# KiCad board untitled.kicad_pcb (continued)
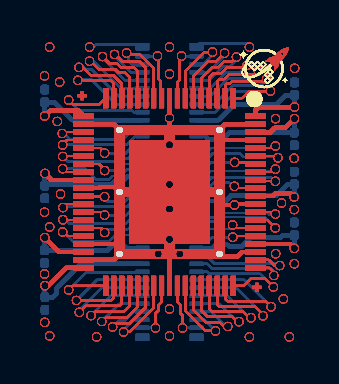
[diagram p0: board, top side]
## Routing (per net, layer and track width the routed paths; a pad name or vN(x,y) marks a point on that pad's centre or on a via; arc(x,y) is an arc through that point) (continued)
  Bottom w0.1: 10.01,1.18 J173.29 ; 10.01,1.18 J173.29 ; 10.01,1.18 J173.29 ; 10.01,1.18 J173.29 ; 10.01,1.18 J173.29 ; 10.01,1.18 J173.29 ; 10.01,1.18 J173.29 ; 10.01,1.18 v1(11.35,-0.16) ; 10.01,1.18 v1(11.35,-0.16) ; 10.01,1.18 v1(11.35,-0.16) ; 10.01,1.18 J173.29 ; 10.01,1.18 J173.29 ; 10.01,1.18 v1(11.35,-0.16) ; 10.01,1.18 v1(11.35,-0.16) ; 10.01,1.18 v1(11.35,-0.16) ; 10.01,1.18 J173.29 ; 10.01,1.18 v1(11.35,-0.16) ; 10.01,1.18 J173.29 ; 10.01,1.18 v1(11.35,-0.16) ; 10.01,1.18 J173.29 ; 10.01,1.18 v1(11.35,-0.16) ; 10.01,1.18 J173.29 ; 10.01,1.18 J173.29 ; 10.01,1.18 v1(11.35,-0.16) ; 10.01,1.18 v1(11.35,-0.16) ; 10.01,1.18 J173.29 ; 10.01,1.18 v1(11.35,-0.16) ; 10.01,1.18 J173.29 ; 10.01,1.18 J173.29 ; 10.01,1.18 v1(11.35,-0.16) ; 10.01,1.18 v1(11.35,-0.16) ; 10.01,1.18 v1(11.35,-0.16) ; 10.01,1.18 J173.29 ; 10.01,1.18 J173.29 ; 10.01,1.18 J173.29 ; 10.01,1.18 J173.29 ; 10.01,1.18 v1(11.35,-0.16) ; 10.01,1.18 J173.29 ; 10.01,1.18 v1(11.35,-0.16) ; 10.01,1.18 J173.29 ; 10.01,1.18 J173.29 ; 10.01,1.18 J173.29 ; 10.01,1.18 v1(11.35,-0.16) ; 10.01,1.18 J173.29 ; 10.01,1.18 J173.29 ; 10.01,1.18 v1(11.35,-0.16) ; 10.01,1.18 v1(11.35,-0.16) ; 10.01,1.18 J173.29 ; 10.01,1.18 J173.29 ; 10.01,1.18 J173.29 ; 10.01,1.18 J173.29 ; 10.01,1.18 J173.29 ; 10.01,1.18 J173.29 ; 10.01,1.18 J173.29 ; 10.01,1.18 v1(11.35,-0.16) ; 10.01,1.18 J173.29 ; 10.01,1.18 v1(11.35,-0.16) ; 10.01,1.18 v1(11.35,-0.16) ; 10.01,1.18 v1(11.35,-0.16) ; 10.01,1.18 v1(11.35,-0.16) ; 10.01,1.18 v1(11.35,-0.16) ; 10.01,1.18 J173.29 ; 10.01,1.18 v1(11.35,-0.16) ; 10.01,1.18 v1(11.35,-0.16) ; 10.01,1.18 J173.29 ; 10.01,1.18 v1(11.35,-0.16) ; 10.01,1.18 v1(11.35,-0.16) ; 10.01,1.18 J173.29 ; 10.01,1.18 v1(11.35,-0.16) ; 10.01,1.18 v1(11.35,-0.16) ; 10.01,1.18 v1(11.35,-0.16) ; 10.01,1.18 v1(11.35,-0.16) ; 10.01,1.18 v1(11.35,-0.16) ; 10.01,1.18 v1(11.35,-0.16) ; 10.01,1.18 v1(11.35,-0.16) ; 10.01,1.18 v1(11.35,-0.16) ; 10.01,1.18 v1(11.35,-0.16) ; 10.01,1.18 J173.29 ; 10.01,1.18 v1(11.35,-0.16) ; 10.01,1.18 J173.29 ; 10.01,1.18 v1(11.35,-0.16) ; 10.01,1.18 v1(11.35,-0.16) ; 10.01,1.18 J173.29 ; 10.01,1.18 J173.29
/PIN 43: length 272
  Top w0.1: 9.96,0.88 10.32,1.24 ; 9.96,0.88 10.32,1.24 ; 9.96,0.88 10.32,1.24 ; 9.96,0.88 J158.54 ; 9.96,0.88 J158.54 ; 9.96,0.88 10.32,1.24 ; 9.96,0.88 J158.54 ; 9.96,0.88 J158.54 ; 9.96,0.88 10.32,1.24 ; 9.96,0.88 J158.54 ; 9.96,0.88 10.32,1.24 ; 9.96,0.88 J158.54 ; 9.96,0.88 10.32,1.24 ; 9.96,0.88 J158.54 ; 9.96,0.88 10.32,1.24 ; 9.96,0.88 J158.54 ; 9.96,0.88 J158.54 ; 9.96,0.88 J158.54 ; 9.96,0.88 J158.54 ; 9.96,0.88 J158.54 ; 9.96,0.88 J158.54 ; 9.96,0.88 J158.54 ; 9.96,0.88 J158.54 ; 9.96,0.88 10.32,1.24 ; 9.96,0.88 10.32,1.24 ; 9.96,0.88 J158.54 ; 9.96,0.88 10.32,1.24 ; 9.96,0.88 10.32,1.24 ; 9.96,0.88 10.32,1.24 ; 9.96,0.88 J158.54 ; 9.96,0.88 J158.54 ; 9.96,0.88 10.32,1.24 ; 9.96,0.88 10.32,1.24 ; 9.96,0.88 J158.54 ; 9.96,0.88 10.32,1.24 ; 9.96,0.88 10.32,1.24 ; 9.96,0.88 J158.54 ; 9.96,0.88 10.32,1.24 ; 9.96,0.88 10.32,1.24 ; 9.96,0.88 10.32,1.24 ; 9.96,0.88 10.32,1.24 ; 9.96,0.88 10.32,1.24 ; 9.96,0.88 J158.54 ; 9.96,0.88 J158.54 ; 9.96,0.88 10.32,1.24 ; 9.96,0.88 J158.54 ; 9.96,0.88 10.32,1.24 ; 9.96,0.88 10.32,1.24 ; 9.96,0.88 J158.54 ; 9.96,0.88 J158.54 ; 9.96,0.88 J158.54 ; 9.96,0.88 10.32,1.24 ; 9.96,0.88 J158.54 ; 9.96,0.88 J158.54 ; 9.96,0.88 J158.54 ; 9.96,0.88 J158.54 ; 9.96,0.88 10.32,1.24 ; 9.96,0.88 J158.54 ; 9.96,0.88 J158.54 ; 9.96,0.88 10.32,1.24 ; 9.96,0.88 10.32,1.24 ; 9.96,0.88 J158.54 ; 9.96,0.88 10.32,1.24 ; 9.96,0.88 J158.54 ; 9.96,0.88 J158.54 ; 9.96,0.88 J158.54 ; 9.96,0.88 10.32,1.24 ; 9.96,0.88 J158.54 ; 9.96,0.88 J158.54 ; 9.96,0.88 10.32,1.24 ; 9.96,0.88 10.32,1.24 ; 9.96,0.88 10.32,1.24 ; 9.96,0.88 10.32,1.24 ; 9.96,0.88 J158.54 ; 9.96,0.88 10.32,1.24 ; 9.96,0.88 10.32,1.24 ; 9.96,0.88 10.32,1.24 ; 9.96,0.88 10.32,1.24 ; 9.96,0.88 J158.54 ; 9.96,0.88 J158.54 ; 9.96,0.88 10.32,1.24 ; 9.96,0.88 10.32,1.24 ; 9.96,0.88 10.32,1.24 ; 9.96,0.88 J158.54 ; 10.32,1.24 11.05,1.24 ; 10.32,1.24 11.05,1.24 ; 10.32,1.24 11.05,1.24 ; 10.32,1.24 11.05,1.24 ; 10.32,1.24 11.05,1.24 ; 10.32,1.24 11.05,1.24 ; 10.32,1.24 11.05,1.24 ; 10.32,1.24 11.05,1.24 ; 10.32,1.24 11.05,1.24 ; 10.32,1.24 11.05,1.24 ; 10.32,1.24 11.05,1.24 ; 10.32,1.24 11.05,1.24 ; 10.32,1.24 11.05,1.24 ; 10.32,1.24 11.05,1.24 ; 10.32,1.24 11.05,1.24 ; 10.32,1.24 11.05,1.24 ; 10.32,1.24 11.05,1.24 ; 10.32,1.24 11.05,1.24 ; 10.32,1.24 11.05,1.24 ; 10.32,1.24 11.05,1.24 ; 10.32,1.24 11.05,1.24 ; 10.32,1.24 11.05,1.24 ; 10.32,1.24 11.05,1.24 ; 10.32,1.24 11.05,1.24 ; 10.32,1.24 11.05,1.24 ; 10.32,1.24 11.05,1.24 ; 10.32,1.24 11.05,1.24 ; 10.32,1.24 11.05,1.24 ; 10.32,1.24 11.05,1.24 ; 10.32,1.24 11.05,1.24 ; 10.32,1.24 11.05,1.24 ; 10.32,1.24 11.05,1.24 ; 10.32,1.24 11.05,1.24 ; 10.32,1.24 11.05,1.24 ; 10.32,1.24 11.05,1.24 ; 10.32,1.24 11.05,1.24 ; 10.32,1.24 11.05,1.24 ; 10.32,1.24 11.05,1.24 ; 10.32,1.24 11.05,1.24 ; 10.32,1.24 11.05,1.24 ; 10.32,1.24 11.05,1.24 ; 10.32,1.24 11.05,1.24 ; 11.05,1.24 v1(11.46,0.83) ; 11.05,1.24 v1(11.46,0.83) ; 11.05,1.24 v1(11.46,0.83) ; 11.05,1.24 v1(11.46,0.83) ; 11.05,1.24 v1(11.46,0.83) ; 11.05,1.24 v1(11.46,0.83) ; 11.05,1.24 v1(11.46,0.83) ; 11.05,1.24 v1(11.46,0.83) ; 11.05,1.24 v1(11.46,0.83) ; 11.05,1.24 v1(11.46,0.83) ; 11.05,1.24 v1(11.46,0.83) ; 11.05,1.24 v1(11.46,0.83) ; 11.05,1.24 v1(11.46,0.83) ; 11.05,1.24 v1(11.46,0.83) ; 11.05,1.24 v1(11.46,0.83) ; 11.05,1.24 v1(11.46,0.83) ; 11.05,1.24 v1(11.46,0.83) ; 11.05,1.24 v1(11.46,0.83) ; 11.05,1.24 v1(11.46,0.83) ; 11.05,1.24 v1(11.46,0.83) ; 11.05,1.24 v1(11.46,0.83) ; 11.05,1.24 v1(11.46,0.83) ; 11.05,1.24 v1(11.46,0.83) ; 11.05,1.24 v1(11.46,0.83) ; 11.05,1.24 v1(11.46,0.83) ; 11.05,1.24 v1(11.46,0.83) ; 11.05,1.24 v1(11.46,0.83) ; 11.05,1.24 v1(11.46,0.83) ; 11.05,1.24 v1(11.46,0.83) ; 11.05,1.24 v1(11.46,0.83) ; 11.05,1.24 v1(11.46,0.83) ; 11.05,1.24 v1(11.46,0.83) ; 11.05,1.24 v1(11.46,0.83) ; 11.05,1.24 v1(11.46,0.83) ; 11.05,1.24 v1(11.46,0.83) ; 11.05,1.24 v1(11.46,0.83) ; 11.05,1.24 v1(11.46,0.83) ; 11.05,1.24 v1(11.46,0.83) ; 11.05,1.24 v1(11.46,0.83) ; 11.05,1.24 v1(11.46,0.83) ; 11.05,1.24 v1(11.46,0.83) ; 11.05,1.24 v1(11.46,0.83)
  Bottom w0.1: 8.26,1.48 8.16,1.58 ; 8.26,1.48 8.16,1.58 ; 8.26,1.48 10.81,1.48 ; 8.26,1.48 10.81,1.48 ; 8.26,1.48 10.81,1.48 ; 8.26,1.48 8.16,1.58 ; 8.26,1.48 8.16,1.58 ; 8.26,1.48 8.16,1.58 ; 8.26,1.48 10.81,1.48 ; 8.26,1.48 8.16,1.58 ; 8.26,1.48 10.81,1.48 ; 8.26,1.48 10.81,1.48 ; 8.26,1.48 10.81,1.48 ; 8.26,1.48 8.16,1.58 ; 8.26,1.48 10.81,1.48 ; 8.26,1.48 10.81,1.48 ; 8.26,1.48 10.81,1.48 ; 8.26,1.48 8.16,1.58 ; 8.26,1.48 8.16,1.58 ; 8.26,1.48 10.81,1.48 ; 8.26,1.48 8.16,1.58 ; 8.26,1.48 8.16,1.58 ; 8.26,1.48 8.16,1.58 ; 8.26,1.48 10.81,1.48 ; 8.26,1.48 10.81,1.48 ; 8.26,1.48 8.16,1.58 ; 8.26,1.48 10.81,1.48 ; 8.26,1.48 10.81,1.48 ; 8.26,1.48 10.81,1.48 ; 8.26,1.48 8.16,1.58 ; 8.26,1.48 10.81,1.48 ; 8.26,1.48 8.16,1.58 ; 8.26,1.48 8.16,1.58 ; 8.26,1.48 8.16,1.58 ; 8.26,1.48 10.81,1.48 ; 8.26,1.48 10.81,1.48 ; 8.26,1.48 8.16,1.58 ; 8.26,1.48 10.81,1.48 ; 8.26,1.48 8.16,1.58 ; 8.26,1.48 10.81,1.48 ; 8.26,1.48 10.81,1.48 ; 8.26,1.48 8.16,1.58 ; 8.26,1.48 10.81,1.48 ; 8.26,1.48 10.81,1.48 ; 8.26,1.48 10.81,1.48 ; 8.26,1.48 10.81,1.48 ; 8.26,1.48 8.16,1.58 ; 8.26,1.48 8.16,1.58 ; 8.26,1.48 8.16,1.58 ; 8.26,1.48 10.81,1.48 ; 8.26,1.48 8.16,1.58 ; 8.26,1.48 10.81,1.48 ; 8.26,1.48 10.81,1.48 ; 8.26,1.48 10.81,1.48 ; 8.26,1.48 8.16,1.58 ; 8.26,1.48 10.81,1.48 ; 8.26,1.48 8.16,1.58 ; 8.26,1.48 8.16,1.58 ; 8.26,1.48 10.81,1.48 ; 8.26,1.48 10.81,1.48 ; 8.26,1.48 8.16,1.58 ; 8.26,1.48 10.81,1.48 ; 8.26,1.48 10.81,1.48 ; 8.26,1.48 8.16,1.58 ; 8.26,1.48 8.16,1.58 ; 8.26,1.48 10.81,1.48 ; 8.26,1.48 8.16,1.58 ; 8.26,1.48 8.16,1.58 ; 8.26,1.48 10.81,1.48 ; 8.26,1.48 8.16,1.58 ; 8.26,1.48 10.81,1.48 ; 8.26,1.48 8.16,1.58 ; 8.26,1.48 10.81,1.48 ; 8.26,1.48 8.16,1.58 ; 8.26,1.48 8.16,1.58 ; 8.26,1.48 8.16,1.58 ; 8.26,1.48 8.16,1.58 ; 8.26,1.48 10.81,1.48 ; 8.26,1.48 8.16,1.58 ; 8.26,1.48 8.16,1.58 ; 8.26,1.48 10.81,1.48 ; 8.26,1.48 8.16,1.58 ; 8.26,1.48 10.81,1.48 ; 8.26,1.48 8.16,1.58 ; 8.16,1.58 J173.28 ; 8.16,1.58 J173.28 ; 8.16,1.58 J173.28 ; 8.16,1.58 J173.28 ; 8.16,1.58 J173.28 ; 8.16,1.58 J173.28 ; 8.16,1.58 J173.28 ; 8.16,1.58 J173.28 ; 8.16,1.58 J173.28 ; 8.16,1.58 J173.28 ; 8.16,1.58 J173.28 ; 8.16,1.58 J173.28 ; 8.16,1.58 J173.28 ; 8.16,1.58 J173.28 ; 8.16,1.58 J173.28 ; 8.16,1.58 J173.28 ; 8.16,1.58 J173.28 ; 8.16,1.58 J173.28 ; 8.16,1.58 J173.28 ; 8.16,1.58 J173.28 ; 8.16,1.58 J173.28 ; 8.16,1.58 J173.28 ; 8.16,1.58 J173.28 ; 8.16,1.58 J173.28 ; 8.16,1.58 J173.28 ; 8.16,1.58 J173.28 ; 8.16,1.58 J173.28 ; 8.16,1.58 J173.28 ; 8.16,1.58 J173.28 ; 8.16,1.58 J173.28 ; 8.16,1.58 J173.28 ; 8.16,1.58 J173.28 ; 8.16,1.58 J173.28 ; 8.16,1.58 J173.28 ; 8.16,1.58 J173.28 ; 8.16,1.58 J173.28 ; 8.16,1.58 J173.28 ; 8.16,1.58 J173.28 ; 8.16,1.58 J173.28 ; 8.16,1.58 J173.28 ; 8.16,1.58 J173.28 ; 8.16,1.58 J173.28 ; v1(11.46,0.83) 10.81,1.48 ; v1(11.46,0.83) 10.81,1.48 ; v1(11.46,0.83) 10.81,1.48 ; v1(11.46,0.83) 10.81,1.48 ; v1(11.46,0.83) 10.81,1.48 ; v1(11.46,0.83) 10.81,1.48 ; v1(11.46,0.83) 10.81,1.48 ; v1(11.46,0.83) 10.81,1.48 ; v1(11.46,0.83) 10.81,1.48 ; v1(11.46,0.83) 10.81,1.48 ; v1(11.46,0.83) 10.81,1.48 ; v1(11.46,0.83) 10.81,1.48 ; v1(11.46,0.83) 10.81,1.48 ; v1(11.46,0.83) 10.81,1.48 ; v1(11.46,0.83) 10.81,1.48 ; v1(11.46,0.83) 10.81,1.48 ; v1(11.46,0.83) 10.81,1.48 ; v1(11.46,0.83) 10.81,1.48 ; v1(11.46,0.83) 10.81,1.48 ; v1(11.46,0.83) 10.81,1.48 ; v1(11.46,0.83) 10.81,1.48 ; v1(11.46,0.83) 10.81,1.48 ; v1(11.46,0.83) 10.81,1.48 ; v1(11.46,0.83) 10.81,1.48 ; v1(11.46,0.83) 10.81,1.48 ; v1(11.46,0.83) 10.81,1.48 ; v1(11.46,0.83) 10.81,1.48 ; v1(11.46,0.83) 10.81,1.48 ; v1(11.46,0.83) 10.81,1.48 ; v1(11.46,0.83) 10.81,1.48 ; v1(11.46,0.83) 10.81,1.48 ; v1(11.46,0.83) 10.81,1.48 ; v1(11.46,0.83) 10.81,1.48 ; v1(11.46,0.83) 10.81,1.48 ; v1(11.46,0.83) 10.81,1.48 ; v1(11.46,0.83) 10.81,1.48 ; v1(11.46,0.83) 10.81,1.48 ; v1(11.46,0.83) 10.81,1.48 ; v1(11.46,0.83) 10.81,1.48 ; v1(11.46,0.83) 10.81,1.48 ; v1(11.46,0.83) 10.81,1.48 ; v1(11.46,0.83) 10.81,1.48
/PIN 44: length 227
  Top w0.1: 11.28,1.78 J158.55 ; 11.28,1.78 11.47,1.59 ; 11.28,1.78 11.47,1.59 ; 11.28,1.78 J158.55 ; 11.28,1.78 J158.55 ; 11.28,1.78 11.47,1.59 ; 11.28,1.78 11.47,1.59 ; 11.28,1.78 11.47,1.59 ; 11.28,1.78 J158.55 ; 11.28,1.78 11.47,1.59 ; 11.28,1.78 J158.55 ; 11.28,1.78 11.47,1.59 ; 11.28,1.78 11.47,1.59 ; 11.28,1.78 J158.55 ; 11.28,1.78 J158.55 ; 11.28,1.78 11.47,1.59 ; 11.28,1.78 11.47,1.59 ; 11.28,1.78 J158.55 ; 11.28,1.78 J158.55 ; 11.28,1.78 11.47,1.59 ; 11.28,1.78 J158.55 ; 11.28,1.78 J158.55 ; 11.28,1.78 J158.55 ; 11.28,1.78 11.47,1.59 ; 11.28,1.78 11.47,1.59 ; 11.28,1.78 11.47,1.59 ; 11.28,1.78 11.47,1.59 ; 11.28,1.78 J158.55 ; 11.28,1.78 J158.55 ; 11.28,1.78 11.47,1.59 ; 11.28,1.78 J158.55 ; 11.28,1.78 11.47,1.59 ; 11.28,1.78 11.47,1.59 ; 11.28,1.78 11.47,1.59 ; 11.28,1.78 J158.55 ; 11.28,1.78 11.47,1.59 ; 11.28,1.78 J158.55 ; 11.28,1.78 11.47,1.59 ; 11.28,1.78 11.47,1.59 ; 11.28,1.78 J158.55 ; 11.28,1.78 J158.55 ; 11.28,1.78 J158.55 ; 11.28,1.78 J158.55 ; 11.28,1.78 11.47,1.59 ; 11.28,1.78 J158.55 ; 11.28,1.78 11.47,1.59 ; 11.28,1.78 11.47,1.59 ; 11.28,1.78 J158.55 ; 11.28,1.78 11.47,1.59 ; 11.28,1.78 11.47,1.59 ; 11.28,1.78 J158.55 ; 11.28,1.78 J158.55 ; 11.28,1.78 J158.55 ; 11.28,1.78 11.47,1.59 ; 11.28,1.78 11.47,1.59 ; 11.28,1.78 J158.55 ; 11.28,1.78 11.47,1.59 ; 11.28,1.78 J158.55 ; 11.28,1.78 J158.55 ; 11.28,1.78 J158.55 ; 11.28,1.78 11.47,1.59 ; 11.28,1.78 11.47,1.59 ; 11.28,1.78 J158.55 ; 11.28,1.78 J158.55 ; 11.28,1.78 J158.55 ; 11.28,1.78 11.47,1.59 ; 11.28,1.78 J158.55 ; 11.28,1.78 11.47,1.59 ; 11.28,1.78 J158.55 ; 11.28,1.78 J158.55 ; 11.28,1.78 11.47,1.59 ; 11.28,1.78 11.47,1.59 ; 11.28,1.78 11.47,1.59 ; 11.28,1.78 11.47,1.59 ; 11.28,1.78 J158.55 ; 11.28,1.78 J158.55 ; 11.28,1.78 J158.55 ; 11.28,1.78 J158.55 ; 11.28,1.78 J158.55 ; 11.28,1.78 11.47,1.59 ; 11.28,1.78 11.47,1.59 ; 11.28,1.78 J158.55 ; 11.28,1.78 11.47,1.59 ; 11.28,1.78 11.47,1.59 ; v1(11.48,1.4) 11.47,1.41 ; v1(11.48,1.4) 11.47,1.41 ; v1(11.48,1.4) 11.47,1.41 ; v1(11.48,1.4) 11.47,1.41 ; v1(11.48,1.4) 11.47,1.41 ; v1(11.48,1.4) 11.47,1.41 ; v1(11.48,1.4) 11.47,1.41 ; v1(11.48,1.4) 11.47,1.41 ; v1(11.48,1.4) 11.47,1.41 ; v1(11.48,1.4) 11.47,1.41 ; v1(11.48,1.4) 11.47,1.41 ; v1(11.48,1.4) 11.47,1.41 ; v1(11.48,1.4) 11.47,1.41 ; v1(11.48,1.4) 11.47,1.41 ; v1(11.48,1.4) 11.47,1.41 ; v1(11.48,1.4) 11.47,1.41 ; v1(11.48,1.4) 11.47,1.41 ; v1(11.48,1.4) 11.47,1.41 ; v1(11.48,1.4) 11.47,1.41 ; v1(11.48,1.4) 11.47,1.41 ; v1(11.48,1.4) 11.47,1.41 ; v1(11.48,1.4) 11.47,1.41 ; v1(11.48,1.4) 11.47,1.41 ; v1(11.48,1.4) 11.47,1.41 ; v1(11.48,1.4) 11.47,1.41 ; v1(11.48,1.4) 11.47,1.41 ; v1(11.48,1.4) 11.47,1.41 ; v1(11.48,1.4) 11.47,1.41 ; v1(11.48,1.4) 11.47,1.41 ; v1(11.48,1.4) 11.47,1.41 ; v1(11.48,1.4) 11.47,1.41 ; v1(11.48,1.4) 11.47,1.41 ; v1(11.48,1.4) 11.47,1.41 ; v1(11.48,1.4) 11.47,1.41 ; v1(11.48,1.4) 11.47,1.41 ; v1(11.48,1.4) 11.47,1.41 ; v1(11.48,1.4) 11.47,1.41 ; v1(11.48,1.4) 11.47,1.41 ; v1(11.48,1.4) 11.47,1.41 ; v1(11.48,1.4) 11.47,1.41 ; v1(11.48,1.4) 11.47,1.41 ; v1(11.48,1.4) 11.47,1.41 ; 11.47,1.41 11.47,1.59 ; 11.47,1.41 11.47,1.59 ; 11.47,1.41 11.47,1.59 ; 11.47,1.41 11.47,1.59 ; 11.47,1.41 11.47,1.59 ; 11.47,1.41 11.47,1.59 ; 11.47,1.41 11.47,1.59 ; 11.47,1.41 11.47,1.59 ; 11.47,1.41 11.47,1.59 ; 11.47,1.41 11.47,1.59 ; 11.47,1.41 11.47,1.59 ; 11.47,1.41 11.47,1.59 ; 11.47,1.41 11.47,1.59 ; 11.47,1.41 11.47,1.59 ; 11.47,1.41 11.47,1.59 ; 11.47,1.41 11.47,1.59 ; 11.47,1.41 11.47,1.59 ; 11.47,1.41 11.47,1.59 ; 11.47,1.41 11.47,1.59 ; 11.47,1.41 11.47,1.59 ; 11.47,1.41 11.47,1.59 ; 11.47,1.41 11.47,1.59 ; 11.47,1.41 11.47,1.59 ; 11.47,1.41 11.47,1.59 ; 11.47,1.41 11.47,1.59 ; 11.47,1.41 11.47,1.59 ; 11.47,1.41 11.47,1.59 ; 11.47,1.41 11.47,1.59 ; 11.47,1.41 11.47,1.59 ; 11.47,1.41 11.47,1.59 ; 11.47,1.41 11.47,1.59 ; 11.47,1.41 11.47,1.59 ; 11.47,1.41 11.47,1.59 ; 11.47,1.41 11.47,1.59 ; 11.47,1.41 11.47,1.59 ; 11.47,1.41 11.47,1.59 ; 11.47,1.41 11.47,1.59 ; 11.47,1.41 11.47,1.59 ; 11.47,1.41 11.47,1.59 ; 11.47,1.41 11.47,1.59 ; 11.47,1.41 11.47,1.59 ; 11.47,1.41 11.47,1.59
  Bottom w0.1: 10.93,1.73 10.92,1.74 ; 10.93,1.73 11.36,1.73 ; 10.93,1.73 10.92,1.74 ; 10.93,1.73 10.92,1.74 ; 10.93,1.73 11.36,1.73 ; 10.93,1.73 10.92,1.74 ; 10.93,1.73 10.92,1.74 ; 10.93,1.73 11.36,1.73 ; 10.93,1.73 10.92,1.74 ; 10.93,1.73 10.92,1.74 ; 10.93,1.73 10.92,1.74 ; 10.93,1.73 10.92,1.74 ; 10.93,1.73 11.36,1.73 ; 10.93,1.73 11.36,1.73 ; 10.93,1.73 11.36,1.73 ; 10.93,1.73 10.92,1.74 ; 10.93,1.73 11.36,1.73 ; 10.93,1.73 11.36,1.73 ; 10.93,1.73 11.36,1.73 ; 10.93,1.73 11.36,1.73 ; 10.93,1.73 11.36,1.73 ; 10.93,1.73 11.36,1.73 ; 10.93,1.73 10.92,1.74 ; 10.93,1.73 11.36,1.73 ; 10.93,1.73 10.92,1.74 ; 10.93,1.73 11.36,1.73 ; 10.93,1.73 11.36,1.73 ; 10.93,1.73 11.36,1.73 ; 10.93,1.73 11.36,1.73 ; 10.93,1.73 11.36,1.73 ; 10.93,1.73 11.36,1.73 ; 10.93,1.73 10.92,1.74 ; 10.93,1.73 10.92,1.74 ; 10.93,1.73 10.92,1.74 ; 10.93,1.73 10.92,1.74 ; 10.93,1.73 10.92,1.74 ; 10.93,1.73 11.36,1.73 ; 10.93,1.73 11.36,1.73 ; 10.93,1.73 11.36,1.73 ; 10.93,1.73 10.92,1.74 ; 10.93,1.73 11.36,1.73 ; 10.93,1.73 11.36,1.73 ; 10.93,1.73 10.92,1.74 ; 10.93,1.73 10.92,1.74 ; 10.93,1.73 10.92,1.74 ; 10.93,1.73 10.92,1.74 ; 10.93,1.73 11.36,1.73 ; 10.93,1.73 11.36,1.73 ; 10.93,1.73 10.92,1.74 ; 10.93,1.73 10.92,1.74 ; 10.93,1.73 10.92,1.74 ; 10.93,1.73 11.36,1.73 ; 10.93,1.73 11.36,1.73 ; 10.93,1.73 10.92,1.74 ; 10.93,1.73 11.36,1.73 ; 10.93,1.73 11.36,1.73 ; 10.93,1.73 10.92,1.74 ; 10.93,1.73 10.92,1.74 ; 10.93,1.73 11.36,1.73 ; 10.93,1.73 10.92,1.74 ; 10.93,1.73 11.36,1.73 ; 10.93,1.73 11.36,1.73 ; 10.93,1.73 10.92,1.74 ; 10.93,1.73 10.92,1.74 ; 10.93,1.73 10.92,1.74 ; 10.93,1.73 11.36,1.73 ; 10.93,1.73 10.92,1.74 ; 10.93,1.73 11.36,1.73 ; 10.93,1.73 10.92,1.74 ; 10.93,1.73 10.92,1.74 ; 10.93,1.73 11.36,1.73 ; 10.93,1.73 11.36,1.73 ; 10.93,1.73 10.92,1.74 ; 10.93,1.73 11.36,1.73 ; 10.93,1.73 11.36,1.73 ; 10.93,1.73 10.92,1.74 ; 10.93,1.73 11.36,1.73 ; 10.93,1.73 11.36,1.73 ; 10.93,1.73 10.92,1.74 ; 10.93,1.73 10.92,1.74 ; 10.93,1.73 10.92,1.74 ; 10.93,1.73 10.92,1.74 ; 10.93,1.73 11.36,1.73 ; 10.93,1.73 10.92,1.74 ; 10.92,1.74 8.4,1.74 ; 10.92,1.74 8.4,1.74 ; 10.92,1.74 8.4,1.74 ; 10.92,1.74 8.4,1.74 ; 10.92,1.74 8.4,1.74 ; 10.92,1.74 8.4,1.74 ; 10.92,1.74 8.4,1.74 ; 10.92,1.74 8.4,1.74 ; 10.92,1.74 8.4,1.74 ; 10.92,1.74 8.4,1.74 ; 10.92,1.74 8.4,1.74 ; 10.92,1.74 8.4,1.74 ; 10.92,1.74 8.4,1.74 ; 10.92,1.74 8.4,1.74 ; 10.92,1.74 8.4,1.74 ; 10.92,1.74 8.4,1.74 ; 10.92,1.74 8.4,1.74 ; 10.92,1.74 8.4,1.74 ; 10.92,1.74 8.4,1.74 ; 10.92,1.74 8.4,1.74 ; 10.92,1.74 8.4,1.74 ; 10.92,1.74 8.4,1.74 ; 10.92,1.74 8.4,1.74 ; 10.92,1.74 8.4,1.74 ; 10.92,1.74 8.4,1.74 ; 10.92,1.74 8.4,1.74 ; 10.92,1.74 8.4,1.74 ; 10.92,1.74 8.4,1.74 ; 10.92,1.74 8.4,1.74 ; 10.92,1.74 8.4,1.74 ; 10.92,1.74 8.4,1.74 ; 10.92,1.74 8.4,1.74 ; 10.92,1.74 8.4,1.74 ; 10.92,1.74 8.4,1.74 ; 10.92,1.74 8.4,1.74 ; 10.92,1.74 8.4,1.74 ; 10.92,1.74 8.4,1.74 ; 10.92,1.74 8.4,1.74 ; 10.92,1.74 8.4,1.74 ; 10.92,1.74 8.4,1.74 ; 10.92,1.74 8.4,1.74 ; 10.92,1.74 8.4,1.74 ; v1(11.48,1.4) 11.47,1.41 ; v1(11.48,1.4) 11.47,1.41 ; v1(11.48,1.4) 11.47,1.41 ; v1(11.48,1.4) 11.47,1.41 ; v1(11.48,1.4) 11.47,1.41 ; v1(11.48,1.4) 11.47,1.41 ; v1(11.48,1.4) 11.47,1.41 ; v1(11.48,1.4) 11.47,1.41 ; v1(11.48,1.4) 11.47,1.41 ; v1(11.48,1.4) 11.47,1.41 ; v1(11.48,1.4) 11.47,1.41 ; v1(11.48,1.4) 11.47,1.41 ; v1(11.48,1.4) 11.47,1.41 ; v1(11.48,1.4) 11.47,1.41 ; v1(11.48,1.4) 11.47,1.41 ; v1(11.48,1.4) 11.47,1.41 ; v1(11.48,1.4) 11.47,1.41 ; v1(11.48,1.4) 11.47,1.41 ; v1(11.48,1.4) 11.47,1.41 ; v1(11.48,1.4) 11.47,1.41 ; v1(11.48,1.4) 11.47,1.41 ; v1(11.48,1.4) 11.47,1.41 ; v1(11.48,1.4) 11.47,1.41 ; v1(11.48,1.4) 11.47,1.41 ; v1(11.48,1.4) 11.47,1.41 ; v1(11.48,1.4) 11.47,1.41 ; v1(11.48,1.4) 11.47,1.41 ; v1(11.48,1.4) 11.47,1.41 ; v1(11.48,1.4) 11.47,1.41 ; v1(11.48,1.4) 11.47,1.41 ; v1(11.48,1.4) 11.47,1.41 ; v1(11.48,1.4) 11.47,1.41 ; v1(11.48,1.4) 11.47,1.41 ; v1(11.48,1.4) 11.47,1.41 ; v1(11.48,1.4) 11.47,1.41 ; v1(11.48,1.4) 11.47,1.41 ; v1(11.48,1.4) 11.47,1.41 ; v1(11.48,1.4) 11.47,1.41 ; v1(11.48,1.4) 11.47,1.41 ; v1(11.48,1.4) 11.47,1.41 ; v1(11.48,1.4) 11.47,1.41 ; v1(11.48,1.4) 11.47,1.41 ; 11.47,1.41 11.47,1.62 ; 11.47,1.41 11.47,1.62 ; 11.47,1.41 11.47,1.62 ; 11.47,1.41 11.47,1.62 ; 11.47,1.41 11.47,1.62 ; 11.47,1.41 11.47,1.62 ; 11.47,1.41 11.47,1.62 ; 11.47,1.41 11.47,1.62 ; 11.47,1.41 11.47,1.62 ; 11.47,1.41 11.47,1.62 ; 11.47,1.41 11.47,1.62 ; 11.47,1.41 11.47,1.62 ; 11.47,1.41 11.47,1.62 ; 11.47,1.41 11.47,1.62 ; 11.47,1.41 11.47,1.62 ; 11.47,1.41 11.47,1.62 ; 11.47,1.41 11.47,1.62 ; 11.47,1.41 11.47,1.62 ; 11.47,1.41 11.47,1.62 ; 11.47,1.41 11.47,1.62 ; 11.47,1.41 11.47,1.62 ; 11.47,1.41 11.47,1.62 ; 11.47,1.41 11.47,1.62 ; 11.47,1.41 11.47,1.62 ; 11.47,1.41 11.47,1.62 ; 11.47,1.41 11.47,1.62 ; 11.47,1.41 11.47,1.62 ; 11.47,1.41 11.47,1.62 ; 11.47,1.41 11.47,1.62 ; 11.47,1.41 11.47,1.62 ; 11.47,1.41 11.47,1.62 ; 11.47,1.41 11.47,1.62 ; 11.47,1.41 11.47,1.62 ; 11.47,1.41 11.47,1.62 ; 11.47,1.41 11.47,1.62 ; 11.47,1.41 11.47,1.62 ; 11.47,1.41 11.47,1.62 ; 11.47,1.41 11.47,1.62 ; 11.47,1.41 11.47,1.62 ; 11.47,1.41 11.47,1.62 ; 11.47,1.41 11.47,1.62 ; 11.47,1.41 11.47,1.62 ; 8.16,1.98 J173.27 ; 8.16,1.98 8.4,1.74 ; 8.16,1.98 8.4,1.74 ; 8.16,1.98 J173.27 ; 8.16,1.98 J173.27 ; 8.16,1.98 J173.27 ; 8.16,1.98 J173.27 ; 8.16,1.98 8.4,1.74 ; 8.16,1.98 J173.27 ; 8.16,1.98 8.4,1.74 ; 8.16,1.98 J173.27 ; 8.16,1.98 J173.27 ; 8.16,1.98 8.4,1.74 ; 8.16,1.98 J173.27 ; 8.16,1.98 8.4,1.74 ; 8.16,1.98 J173.27 ; 8.16,1.98 J173.27 ; 8.16,1.98 J173.27 ; 8.16,1.98 8.4,1.74 ; 8.16,1.98 J173.27 ; 8.16,1.98 8.4,1.74 ; 8.16,1.98 8.4,1.74 ; 8.16,1.98 J173.27 ; 8.16,1.98 8.4,1.74 ; 8.16,1.98 J173.27 ; 8.16,1.98 J173.27 ; 8.16,1.98 J173.27 ; 8.16,1.98 8.4,1.74 ; 8.16,1.98 8.4,1.74 ; 8.16,1.98 8.4,1.74 ; 8.16,1.98 8.4,1.74 ; 8.16,1.98 J173.27 ; 8.16,1.98 8.4,1.74 ; 8.16,1.98 8.4,1.74 ; 8.16,1.98 J173.27 ; 8.16,1.98 8.4,1.74 ; 8.16,1.98 8.4,1.74 ; 8.16,1.98 J173.27 ; 8.16,1.98 J173.27 ; 8.16,1.98 J173.27 ; 8.16,1.98 J173.27 ; 8.16,1.98 8.4,1.74 ; 8.16,1.98 8.4,1.74 ; 8.16,1.98 J173.27 ; 8.16,1.98 8.4,1.74 ; 8.16,1.98 8.4,1.74 ; 8.16,1.98 8.4,1.74 ; 8.16,1.98 J173.27 ; 8.16,1.98 8.4,1.74 ; 8.16,1.98 J173.27 ; 8.16,1.98 8.4,1.74 ; 8.16,1.98 J173.27 ; 8.16,1.98 J173.27 ; 8.16,1.98 8.4,1.74 ; 8.16,1.98 J173.27 ; 8.16,1.98 8.4,1.74 ; 8.16,1.98 J173.27 ; 8.16,1.98 8.4,1.74 ; 8.16,1.98 J173.27 ; 8.16,1.98 J173.27 ; 8.16,1.98 8.4,1.74 ; 8.16,1.98 J173.27 ; 8.16,1.98 J173.27 ; 8.16,1.98 8.4,1.74 ; 8.16,1.98 J173.27 ; 8.16,1.98 8.4,1.74 ; 8.16,1.98 8.4,1.74 ; 8.16,1.98 8.4,1.74 ; 8.16,1.98 J173.27 ; 8.16,1.98 J173.27 ; 8.16,1.98 J173.27 ; 8.16,1.98 8.4,1.74 ; 8.16,1.98 8.4,1.74 ; 8.16,1.98 8.4,1.74 ; 8.16,1.98 8.4,1.74 ; 8.16,1.98 J173.27 ; 8.16,1.98 J173.27 ; 8.16,1.98 8.4,1.74 ; 8.16,1.98 8.4,1.74 ; 8.16,1.98 8.4,1.74 ; 8.16,1.98 J173.27 ; 8.16,1.98 8.4,1.74 ; 8.16,1.98 8.4,1.74 ; 8.16,1.98 J173.27 ; 11.47,1.62 11.36,1.73 ; 11.47,1.62 11.36,1.73 ; 11.47,1.62 11.36,1.73 ; 11.47,1.62 11.36,1.73 ; 11.47,1.62 11.36,1.73 ; 11.47,1.62 11.36,1.73 ; 11.47,1.62 11.36,1.73 ; 11.47,1.62 11.36,1.73 ; 11.47,1.62 11.36,1.73 ; 11.47,1.62 11.36,1.73 ; 11.47,1.62 11.36,1.73 ; 11.47,1.62 11.36,1.73 ; 11.47,1.62 11.36,1.73 ; 11.47,1.62 11.36,1.73 ; 11.47,1.62 11.36,1.73 ; 11.47,1.62 11.36,1.73 ; 11.47,1.62 11.36,1.73 ; 11.47,1.62 11.36,1.73 ; 11.47,1.62 11.36,1.73 ; 11.47,1.62 11.36,1.73 ; 11.47,1.62 11.36,1.73 ; 11.47,1.62 11.36,1.73 ; 11.47,1.62 11.36,1.73 ; 11.47,1.62 11.36,1.73 ; 11.47,1.62 11.36,1.73 ; 11.47,1.62 11.36,1.73 ; 11.47,1.62 11.36,1.73 ; 11.47,1.62 11.36,1.73 ; 11.47,1.62 11.36,1.73 ; 11.47,1.62 11.36,1.73 ; 11.47,1.62 11.36,1.73 ; 11.47,1.62 11.36,1.73 ; 11.47,1.62 11.36,1.73 ; 11.47,1.62 11.36,1.73 ; 11.47,1.62 11.36,1.73 ; 11.47,1.62 11.36,1.73 ; 11.47,1.62 11.36,1.73 ; 11.47,1.62 11.36,1.73 ; 11.47,1.62 11.36,1.73 ; 11.47,1.62 11.36,1.73 ; 11.47,1.62 11.36,1.73 ; 11.47,1.62 11.36,1.73
